# KiCad board Keyboard MainMatrix v2.1.kicad_pcb
title: Matrix Board 0; date: 2024-10-04; rev: 0; company: Psycho Duck
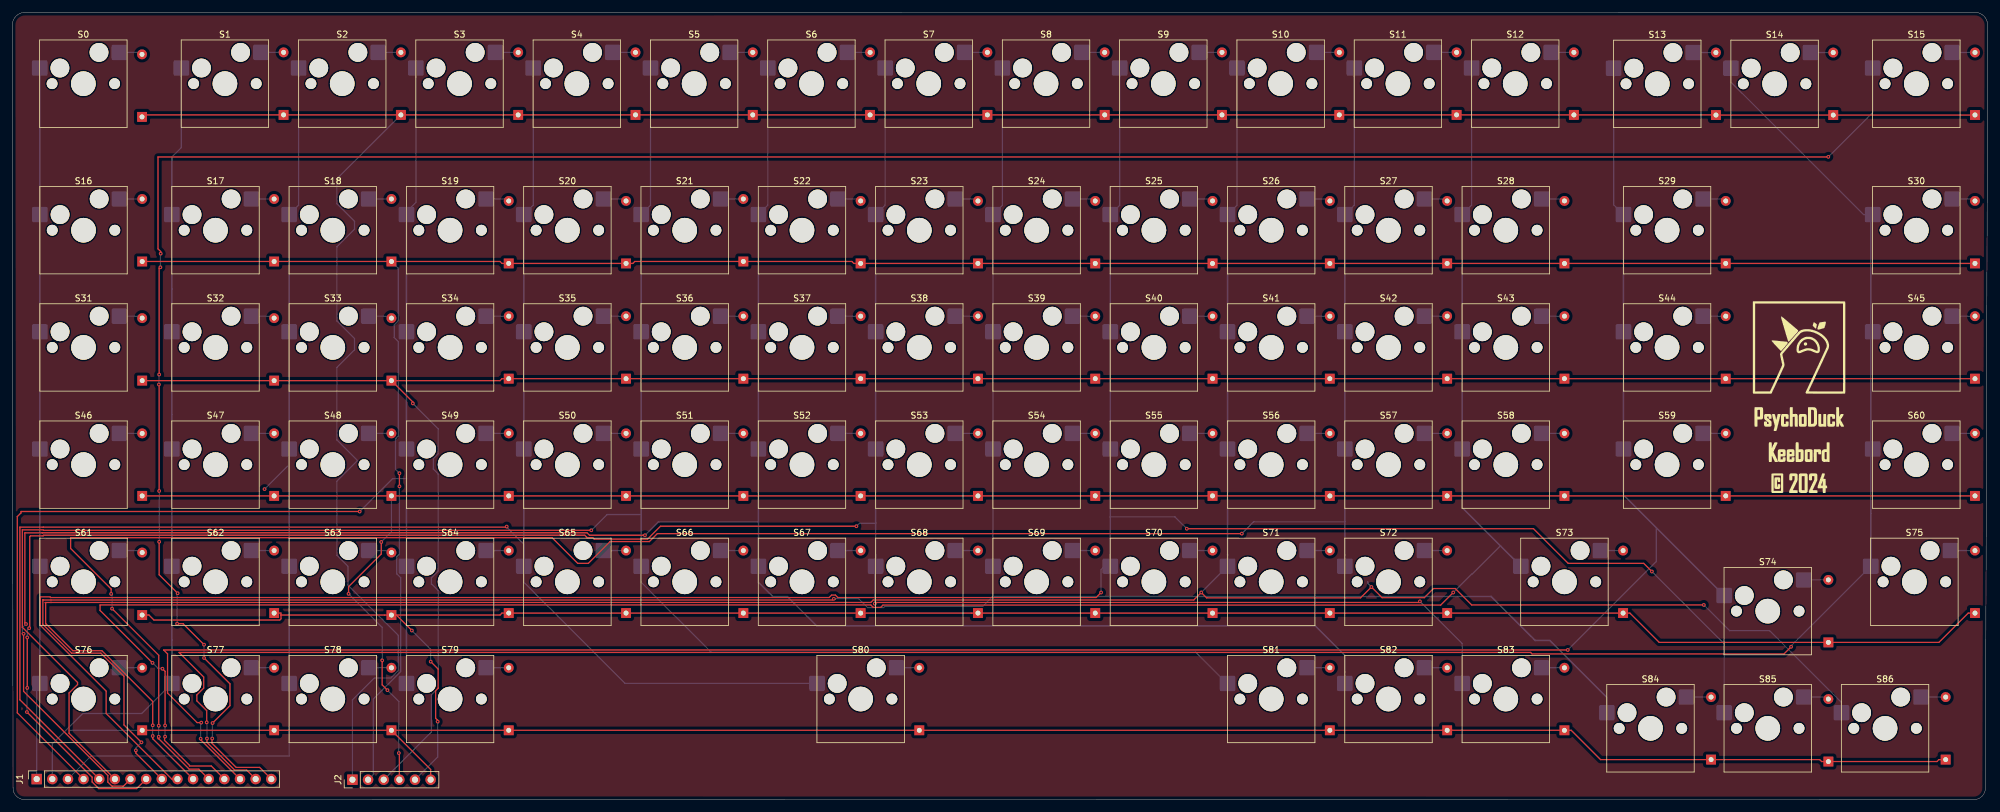
[diagram p0: board, top side]
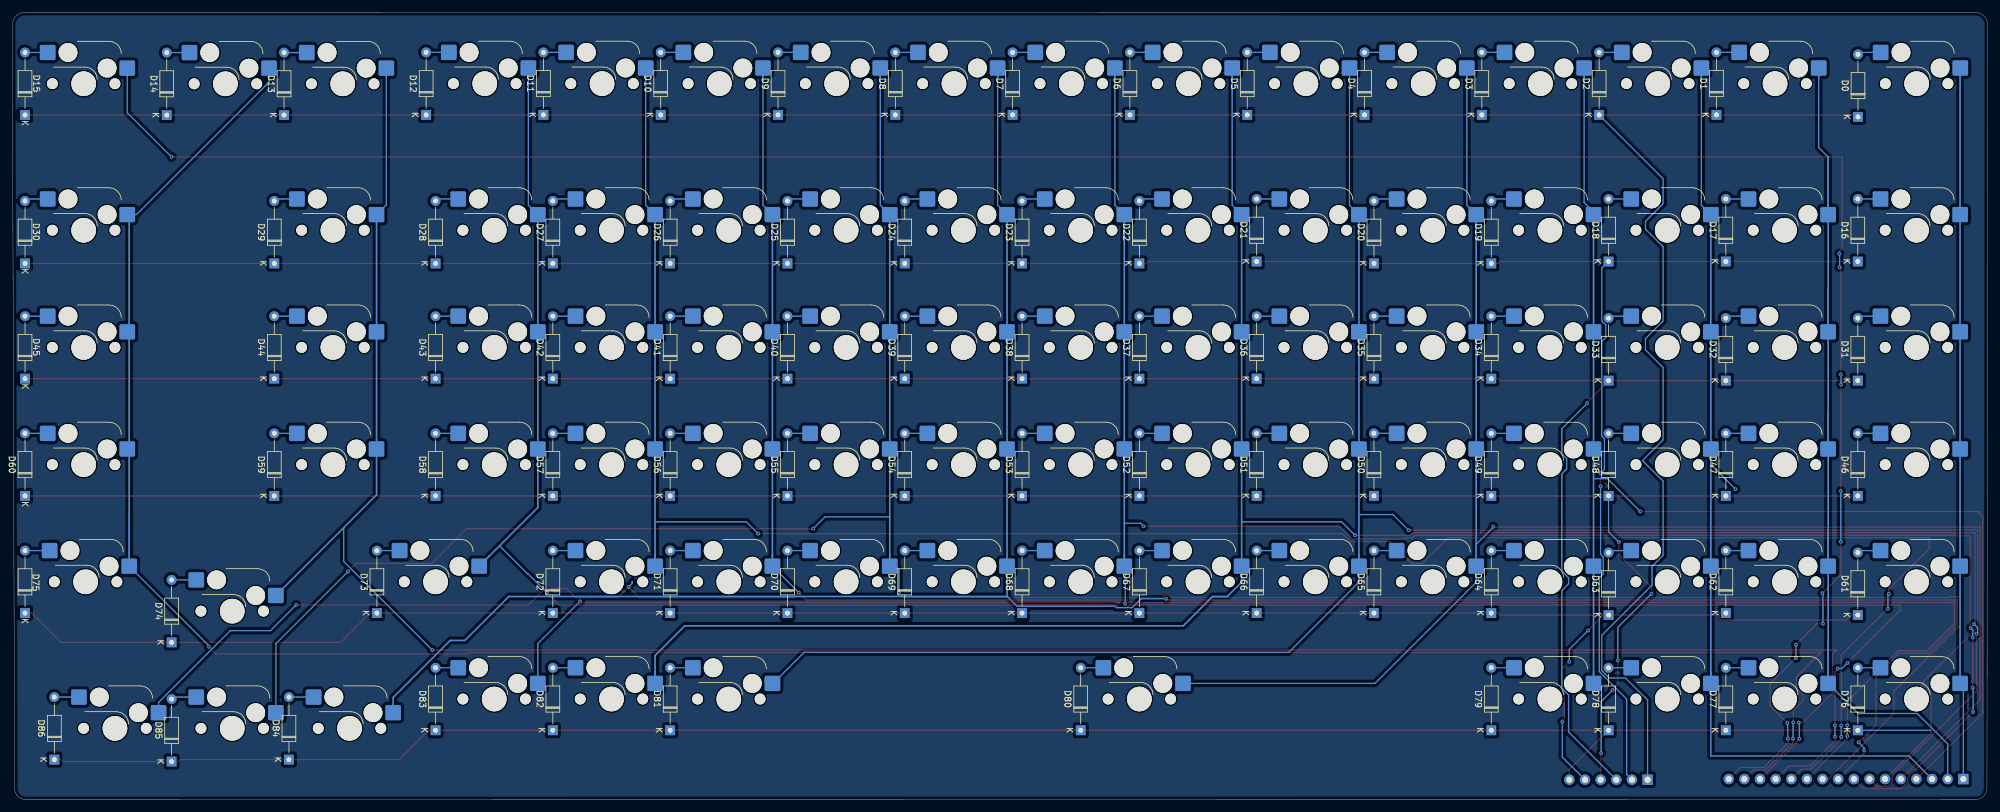
[diagram p1: board, bottom side, seen from below]

Outline 320.81 x 127.98 mm; copper layers: Top, Bottom. Coordinates in mm from the lower left corner of the outline.
Outline path: 318.66,0 2.01,0.03 arc(0.67,0.56) 0.12,1.9 0,125.91 arc(0.59,127.35) 2.02,127.97 318.75,127.98 arc(320.2,127.36) 320.8,125.9 ; 318.66,0 arc(319.93,0.6) 320.44,1.91 320.81,125.9

## Placement (name value [footprint] x y rotation side)
D0  Diode  [D_DO-35_SOD27_P10.16mm_Horizontal]  21.06 110.99 90 bottom
D1  Diode  [D_DO-35_SOD27_P10.16mm_Horizontal]  44.05 111.31 90 bottom
D2  Diode  [D_DO-35_SOD27_P10.16mm_Horizontal]  63.1 111.31 90 bottom
D3  Diode  [D_DO-35_SOD27_P10.16mm_Horizontal]  82.15 111.31 90 bottom
D4  Diode  [D_DO-35_SOD27_P10.16mm_Horizontal]  101.2 111.31 90 bottom
D5  Diode  [D_DO-35_SOD27_P10.16mm_Horizontal]  120.25 111.31 90 bottom
D6  Diode  [D_DO-35_SOD27_P10.16mm_Horizontal]  139.3 111.31 90 bottom
D7  Diode  [D_DO-35_SOD27_P10.16mm_Horizontal]  158.35 111.31 90 bottom
D8  Diode  [D_DO-35_SOD27_P10.16mm_Horizontal]  177.4 111.31 90 bottom
D9  Diode  [D_DO-35_SOD27_P10.16mm_Horizontal]  196.45 111.31 90 bottom
D10  Diode  [D_DO-35_SOD27_P10.16mm_Horizontal]  215.5 111.31 90 bottom
D11  Diode  [D_DO-35_SOD27_P10.16mm_Horizontal]  234.55 111.31 90 bottom
D12  Diode  [D_DO-35_SOD27_P10.16mm_Horizontal]  253.6 111.31 90 bottom
D13  Diode  [D_DO-35_SOD27_P10.16mm_Horizontal]  276.67 111.28 90 bottom
D14  Diode  [D_DO-35_SOD27_P10.16mm_Horizontal]  295.72 111.28 90 bottom
D15  Diode  [D_DO-35_SOD27_P10.16mm_Horizontal]  318.75 111.29 90 bottom
D16  Diode  [D_DO-35_SOD27_P10.16mm_Horizontal]  21.09 87.48 90 bottom
D17  Diode  [D_DO-35_SOD27_P10.16mm_Horizontal]  42.52 87.48 90 bottom
D18  Diode  [D_DO-35_SOD27_P10.16mm_Horizontal]  61.57 87.48 90 bottom
D19  Diode  [D_DO-35_SOD27_P10.16mm_Horizontal]  80.62 87.16 90 bottom
D20  Diode  [D_DO-35_SOD27_P10.16mm_Horizontal]  99.67 87.16 90 bottom
D21  Diode  [D_DO-35_SOD27_P10.16mm_Horizontal]  118.72 87.48 90 bottom
D22  Diode  [D_DO-35_SOD27_P10.16mm_Horizontal]  137.77 87.16 90 bottom
D23  Diode  [D_DO-35_SOD27_P10.16mm_Horizontal]  156.82 87.16 90 bottom
D24  Diode  [D_DO-35_SOD27_P10.16mm_Horizontal]  175.87 87.16 90 bottom
D25  Diode  [D_DO-35_SOD27_P10.16mm_Horizontal]  194.92 87.16 90 bottom
D26  Diode  [D_DO-35_SOD27_P10.16mm_Horizontal]  213.97 87.16 90 bottom
D27  Diode  [D_DO-35_SOD27_P10.16mm_Horizontal]  233.02 87.16 90 bottom
D28  Diode  [D_DO-35_SOD27_P10.16mm_Horizontal]  252.07 87.16 90 bottom
D29  Diode  [D_DO-35_SOD27_P10.16mm_Horizontal]  278.27 87.16 90 bottom
D30  Diode  [D_DO-35_SOD27_P10.16mm_Horizontal]  318.75 87.16 90 bottom
D31  Diode  [D_DO-35_SOD27_P10.16mm_Horizontal]  21.09 68.11 90 bottom
D32  Diode  [D_DO-35_SOD27_P10.16mm_Horizontal]  42.52 68.11 90 bottom
D33  Diode  [D_DO-35_SOD27_P10.16mm_Horizontal]  61.57 68.11 90 bottom
D34  Diode  [D_DO-35_SOD27_P10.16mm_Horizontal]  80.62 68.43 90 bottom
D35  Diode  [D_DO-35_SOD27_P10.16mm_Horizontal]  99.67 68.43 90 bottom
D36  Diode  [D_DO-35_SOD27_P10.16mm_Horizontal]  118.72 68.43 90 bottom
D37  Diode  [D_DO-35_SOD27_P10.16mm_Horizontal]  137.77 68.43 90 bottom
D38  Diode  [D_DO-35_SOD27_P10.16mm_Horizontal]  156.82 68.43 90 bottom
D39  Diode  [D_DO-35_SOD27_P10.16mm_Horizontal]  175.87 68.43 90 bottom
D40  Diode  [D_DO-35_SOD27_P10.16mm_Horizontal]  194.92 68.43 90 bottom
D41  Diode  [D_DO-35_SOD27_P10.16mm_Horizontal]  213.97 68.43 90 bottom
D42  Diode  [D_DO-35_SOD27_P10.16mm_Horizontal]  233.02 68.43 90 bottom
D43  Diode  [D_DO-35_SOD27_P10.16mm_Horizontal]  252.07 68.43 90 bottom
D44  Diode  [D_DO-35_SOD27_P10.16mm_Horizontal]  278.27 68.43 90 bottom
D45  Diode  [D_DO-35_SOD27_P10.16mm_Horizontal]  318.75 68.43 90 bottom
D46  Diode  [D_DO-35_SOD27_P10.16mm_Horizontal]  21.09 49.38 90 bottom
D47  Diode  [D_DO-35_SOD27_P10.16mm_Horizontal]  42.52 49.38 90 bottom
D48  Diode  [D_DO-35_SOD27_P10.16mm_Horizontal]  61.57 49.38 90 bottom
D49  Diode  [D_DO-35_SOD27_P10.16mm_Horizontal]  80.62 49.38 90 bottom
D50  Diode  [D_DO-35_SOD27_P10.16mm_Horizontal]  99.67 49.38 90 bottom
D51  Diode  [D_DO-35_SOD27_P10.16mm_Horizontal]  118.72 49.38 90 bottom
D52  Diode  [D_DO-35_SOD27_P10.16mm_Horizontal]  137.77 49.38 90 bottom
D53  Diode  [D_DO-35_SOD27_P10.16mm_Horizontal]  156.82 49.38 90 bottom
D54  Diode  [D_DO-35_SOD27_P10.16mm_Horizontal]  175.87 49.38 90 bottom
D55  Diode  [D_DO-35_SOD27_P10.16mm_Horizontal]  194.92 49.38 90 bottom
D56  Diode  [D_DO-35_SOD27_P10.16mm_Horizontal]  213.97 49.38 90 bottom
D57  Diode  [D_DO-35_SOD27_P10.16mm_Horizontal]  233.02 49.38 90 bottom
D58  Diode  [D_DO-35_SOD27_P10.16mm_Horizontal]  252.07 49.38 90 bottom
D59  Diode  [D_DO-35_SOD27_P10.16mm_Horizontal]  278.27 49.38 90 bottom
D60  Diode  [D_DO-35_SOD27_P10.16mm_Horizontal]  318.75 49.38 90 bottom
D61  Diode  [D_DO-35_SOD27_P10.16mm_Horizontal]  21.09 30.01 90 bottom
D62  Diode  [D_DO-35_SOD27_P10.16mm_Horizontal]  42.52 30.33 90 bottom
D63  Diode  [D_DO-35_SOD27_P10.16mm_Horizontal]  61.57 30.01 90 bottom
D64  Diode  [D_DO-35_SOD27_P10.16mm_Horizontal]  80.62 30.33 90 bottom
D65  Diode  [D_DO-35_SOD27_P10.16mm_Horizontal]  99.67 30.33 90 bottom
D66  Diode  [D_DO-35_SOD27_P10.16mm_Horizontal]  118.72 30.33 90 bottom
D67  Diode  [D_DO-35_SOD27_P10.16mm_Horizontal]  137.77 30.33 90 bottom
D68  Diode  [D_DO-35_SOD27_P10.16mm_Horizontal]  156.82 30.33 90 bottom
D69  Diode  [D_DO-35_SOD27_P10.16mm_Horizontal]  175.87 30.33 90 bottom
D70  Diode  [D_DO-35_SOD27_P10.16mm_Horizontal]  194.92 30.33 90 bottom
D71  Diode  [D_DO-35_SOD27_P10.16mm_Horizontal]  213.97 30.33 90 bottom
D72  Diode  [D_DO-35_SOD27_P10.16mm_Horizontal]  233.02 30.33 90 bottom
D73  Diode  [D_DO-35_SOD27_P10.16mm_Horizontal]  261.6 30.33 90 bottom
D74  Diode  [D_DO-35_SOD27_P10.16mm_Horizontal]  294.93 25.57 90 bottom
D75  Diode  [D_DO-35_SOD27_P10.16mm_Horizontal]  318.75 30.33 90 bottom
D76  Diode  [D_DO-35_SOD27_P10.16mm_Horizontal]  21.09 11.28 90 bottom
D77  Diode  [D_DO-35_SOD27_P10.16mm_Horizontal]  42.52 11.28 90 bottom
D78  Diode  [D_DO-35_SOD27_P10.16mm_Horizontal]  61.57 11.28 90 bottom
D79  Diode  [D_DO-35_SOD27_P10.16mm_Horizontal]  80.62 11.28 90 bottom
D80  Diode  [D_DO-35_SOD27_P10.16mm_Horizontal]  147.3 11.28 90 bottom
D81  Diode  [D_DO-35_SOD27_P10.16mm_Horizontal]  213.97 11.28 90 bottom
D82  Diode  [D_DO-35_SOD27_P10.16mm_Horizontal]  233.02 11.28 90 bottom
D83  Diode  [D_DO-35_SOD27_P10.16mm_Horizontal]  252.07 11.28 90 bottom
D84  Diode  [D_DO-35_SOD27_P10.16mm_Horizontal]  275.88 6.52 90 bottom
D85  Diode  [D_DO-35_SOD27_P10.16mm_Horizontal]  294.93 6.2 90 bottom
D86  Diode  [D_DO-35_SOD27_P10.16mm_Horizontal]  313.98 6.52 90 bottom
J1  Conn_01x16  [PinSocket_1x16_P2.54mm_Vertical]  3.96 3.35 90 top
J2  Conn_01x06  [PinHeader_1x06_P2.54mm_Vertical]  55.24 3.25 90 top
Ref**  Val**  [LOGO]  290.17 73.51 0 top
Ref**#2  Val**  [TEXT]  290.17 56.84 0 top
S0  Keyswitch  [Hotswap_MX_1.00u]  11.54 116.38 0 top
S1  Keyswitch  [Hotswap_MX_1.00u]  34.53 116.39 0 top
S2  Keyswitch  [Hotswap_MX_1.00u]  53.58 116.39 0 top
S3  Keyswitch  [Hotswap_MX_1.00u]  72.63 116.39 0 top
S4  Keyswitch  [Hotswap_MX_1.00u]  91.68 116.39 0 top
S5  Keyswitch  [Hotswap_MX_1.00u]  110.73 116.39 0 top
S6  Keyswitch  [Hotswap_MX_1.00u]  129.78 116.39 0 top
S7  Keyswitch  [Hotswap_MX_1.00u]  148.83 116.39 0 top
S8  Keyswitch  [Hotswap_MX_1.00u]  167.88 116.39 0 top
S9  Keyswitch  [Hotswap_MX_1.00u]  186.93 116.39 0 top
S10  Keyswitch  [Hotswap_MX_1.00u]  205.98 116.39 0 top
S11  Keyswitch  [Hotswap_MX_1.00u]  225.03 116.39 0 top
S12  Keyswitch  [Hotswap_MX_1.00u]  244.08 116.39 0 top
S13  Keyswitch  [Hotswap_MX_1.00u]  267.15 116.36 0 top
S14  Keyswitch  [Hotswap_MX_1.00u]  286.2 116.36 0 top
S15  Keyswitch  [Hotswap_MX_1.00u]  309.22 116.37 0 top
S16  Keyswitch  [Hotswap_MX_1.00u]  11.57 92.56 0 top
S17  Keyswitch  [Hotswap_MX_1.00u]  33 92.56 0 top
S18  Keyswitch  [Hotswap_MX_1.00u]  52.05 92.56 0 top
S19  Keyswitch  [Hotswap_MX_1.00u]  71.1 92.56 0 top
S20  Keyswitch  [Hotswap_MX_1.00u]  90.15 92.56 0 top
S21  Keyswitch  [Hotswap_MX_1.00u]  109.2 92.56 0 top
S22  Keyswitch  [Hotswap_MX_1.00u]  128.25 92.56 0 top
S23  Keyswitch  [Hotswap_MX_1.00u]  147.3 92.56 0 top
S24  Keyswitch  [Hotswap_MX_1.00u]  166.35 92.56 0 top
S25  Keyswitch  [Hotswap_MX_1.00u]  185.4 92.56 0 top
S26  Keyswitch  [Hotswap_MX_1.00u]  204.45 92.56 0 top
S27  Keyswitch  [Hotswap_MX_1.00u]  223.5 92.56 0 top
S28  Keyswitch  [Hotswap_MX_1.00u]  242.55 92.56 0 top
S29  Keyswitch  [Hotswap_MX_1.00u]  268.74 92.56 0 top
S30  Keyswitch  [Hotswap_MX_1.00u]  309.22 92.56 0 top
S31  Keyswitch  [Hotswap_MX_1.00u]  11.57 73.51 0 top
S32  Keyswitch  [Hotswap_MX_1.00u]  33 73.51 0 top
S33  Keyswitch  [Hotswap_MX_1.00u]  52.05 73.51 0 top
S34  Keyswitch  [Hotswap_MX_1.00u]  71.1 73.51 0 top
S35  Keyswitch  [Hotswap_MX_1.00u]  90.15 73.51 0 top
S36  Keyswitch  [Hotswap_MX_1.00u]  109.2 73.51 0 top
S37  Keyswitch  [Hotswap_MX_1.00u]  128.25 73.51 0 top
S38  Keyswitch  [Hotswap_MX_1.00u]  147.3 73.51 0 top
S39  Keyswitch  [Hotswap_MX_1.00u]  166.35 73.51 0 top
S40  Keyswitch  [Hotswap_MX_1.00u]  185.4 73.51 0 top
S41  Keyswitch  [Hotswap_MX_1.00u]  204.45 73.51 0 top
S42  Keyswitch  [Hotswap_MX_1.00u]  223.5 73.51 0 top
S43  Keyswitch  [Hotswap_MX_1.00u]  242.55 73.51 0 top
S44  Keyswitch  [Hotswap_MX_1.00u]  268.74 73.51 0 top
S45  Keyswitch  [Hotswap_MX_1.00u]  309.22 73.51 0 top
S46  Keyswitch  [Hotswap_MX_1.00u]  11.57 54.46 0 top
S47  Keyswitch  [Hotswap_MX_1.00u]  33 54.46 0 top
S48  Keyswitch  [Hotswap_MX_1.00u]  52.05 54.46 0 top
S49  Keyswitch  [Hotswap_MX_1.00u]  71.1 54.46 0 top
S50  Keyswitch  [Hotswap_MX_1.00u]  90.15 54.46 0 top
S51  Keyswitch  [Hotswap_MX_1.00u]  109.2 54.46 0 top
S52  Keyswitch  [Hotswap_MX_1.00u]  128.25 54.46 0 top
S53  Keyswitch  [Hotswap_MX_1.00u]  147.3 54.46 0 top
S54  Keyswitch  [Hotswap_MX_1.00u]  166.35 54.46 0 top
S55  Keyswitch  [Hotswap_MX_1.00u]  185.4 54.46 0 top
S56  Keyswitch  [Hotswap_MX_1.00u]  204.45 54.46 0 top
S57  Keyswitch  [Hotswap_MX_1.00u]  223.5 54.46 0 top
S58  Keyswitch  [Hotswap_MX_1.00u]  242.55 54.46 0 top
S59  Keyswitch  [Hotswap_MX_1.00u]  268.74 54.46 0 top
S60  Keyswitch  [Hotswap_MX_1.00u]  309.22 54.46 0 top
S61  Keyswitch  [Hotswap_MX_1.00u]  11.57 35.41 0 top
S62  Keyswitch  [Hotswap_MX_1.00u]  33 35.41 0 top
S63  Keyswitch  [Hotswap_MX_1.00u]  52.05 35.41 0 top
S64  Keyswitch  [Hotswap_MX_1.00u]  71.1 35.41 0 top
S65  Keyswitch  [Hotswap_MX_1.00u]  90.15 35.41 0 top
S66  Keyswitch  [Hotswap_MX_1.00u]  109.2 35.41 0 top
S67  Keyswitch  [Hotswap_MX_1.00u]  128.25 35.41 0 top
S68  Keyswitch  [Hotswap_MX_1.00u]  147.3 35.41 0 top
S69  Keyswitch  [Hotswap_MX_1.00u]  166.35 35.41 0 top
S70  Keyswitch  [Hotswap_MX_1.00u]  185.4 35.41 0 top
S71  Keyswitch  [Hotswap_MX_1.00u]  204.45 35.41 0 top
S72  Keyswitch  [Hotswap_MX_1.00u]  223.5 35.41 0 top
S73  Keyswitch  [Hotswap_MX_1.00u]  252.07 35.41 0 top
S74  Keyswitch  [Hotswap_MX_1.00u]  285.09 30.65 0 top
S75  Keyswitch  [Hotswap_MX_1.00u]  308.9 35.41 0 top
S76  Keyswitch  [Hotswap_MX_1.00u]  11.57 16.36 0 top
S77  Keyswitch  [Hotswap_MX_1.00u]  33 16.36 0 top
S78  Keyswitch  [Hotswap_MX_1.00u]  52.05 16.36 0 top
S79  Keyswitch  [Hotswap_MX_1.00u]  71.1 16.36 0 top
S80  Keyswitch  [Hotswap_MX_1.00u]  137.77 16.36 0 top
S81  Keyswitch  [Hotswap_MX_1.00u]  204.45 16.36 0 top
S82  Keyswitch  [Hotswap_MX_1.00u]  223.5 16.36 0 top
S83  Keyswitch  [Hotswap_MX_1.00u]  242.55 16.36 0 top
S84  Keyswitch  [Hotswap_MX_1.00u]  266.04 11.6 0 top
S85  Keyswitch  [Hotswap_MX_1.00u]  285.09 11.6 0 top
S86  Keyswitch  [Hotswap_MX_1.00u]  304.14 11.6 0 top

## Library data of the parts
D0-D86 = -: Description: 1N4148 (DO-35) or 1N4148W (SOD-123); Sim.Device: D; Sim.Pins: 1=K 2=A; ki_fp_filters: D*DO?35*
J1 = -: Description: Generic connector, single row, 01x16, script generated (kicad-library-utils/schlib/autogen/connector/); ki_fp_filters: Connector*:*_1x??_*
J2 = -: Description: Generic connector, single row, 01x06, script generated (kicad-library-utils/schlib/autogen/connector/); ki_fp_filters: Connector*:*_1x??_*
S0-S86 = -: Description: Push button switch, normally open, two pins, 45° tilted

## Footprints (pads in the part's own frame, mm; a bottom-side part is the same pattern mirrored in y, then rotated)
D_DO-35_SOD27_P10.16mm_Horizontal
  rect 1.6x1.6 hole 0.8: 1(0,0)
  oval 1.6x1.6 hole 0.8: 2(10.16,0)
Hotswap_MX_1.00u
  round 1.75 hole 1.75 unplated: (-5.08,0) (5.08,0)
  round 3.05 hole 3.05 unplated: (-3.81,2.54) (2.54,5.08)
  round 4 hole 4 unplated: (0,0)
  rrect 2.55x2.5 smd far side: 1(-7.085,2.54) 2(5.842,5.08)
PinHeader_1x06_P2.54mm_Vertical
  rect 1.7x1.7 hole 1: 1(0,0)
  oval 1.7x1.7 hole 1: 2(0,-2.54) 3(0,-5.08) 4(0,-7.62) 5(0,-10.16) 6(0,-12.7)
PinSocket_1x16_P2.54mm_Vertical
  rect 1.7x1.7 hole 1: 1(0,0)
  oval 1.7x1.7 hole 1: 2(0,-2.54) 3(0,-5.08) 4(0,-7.62) 5(0,-10.16) 6(0,-12.7) 7(0,-15.24) 8(0,-17.78) 9(0,-20.32) 10(0,-22.86) 11(0,-25.4) 12(0,-27.94) 13(0,-30.48) 14(0,-33.02) 15(0,-35.56) 16(0,-38.1)

## Nets
/Col0: J1.1 S0.1 S16.1 S31.1 S46.1 S61.1 S76.1
/Col1: J1.2 S1.1 S17.1 S32.1 S47.1 S62.1 S77.1
/Col2: J1.3 S2.1 S18.1 S33.1 S48.1 S63.1 S78.1
/Col3: J1.4 S3.1 S19.1 S34.1 S49.1 S64.1 S79.1
/Col4: J1.5 S4.1 S20.1 S35.1 S50.1 S65.1 S80.1
/Col5: J1.6 S5.1 S21.1 S36.1 S51.1 S66.1 S81.1
/Col6: J1.7 S6.1 S22.1 S37.1 S52.1 S67.1 S82.1
/Col7: J1.8 S7.1 S23.1 S38.1 S53.1 S68.1 S83.1
/Col8: J1.9 S8.1 S24.1 S39.1 S54.1 S69.1 S84.1
/Col9: J1.10 S9.1 S25.1 S40.1 S55.1 S70.1 S85.1
/Col10: J1.11 S10.1 S26.1 S41.1 S56.1 S71.1 S86.1
/Col11: J1.12 S11.1 S27.1 S42.1 S57.1 S72.1
/Col12: J1.13 S12.1 S28.1 S43.1 S58.1 S73.1
/Col13: J1.14 S13.1 S29.1 S44.1 S59.1 S74.1
/Col14: J1.15 S14.1 S30.1 S45.1 S60.1 S75.1
/Col15: J1.16 S15.1
/Row0: D0.1 D1.1 D2.1 D3.1 D4.1 D5.1 D6.1 D7.1 D8.1 D9.1 D10.1 D11.1 D12.1 D13.1 D14.1 D15.1 J2.1
/Row1: D16.1 D17.1 D18.1 D19.1 D20.1 D21.1 D22.1 D23.1 D24.1 D25.1 D26.1 D27.1 D28.1 D29.1 D30.1 J2.2
/Row2: D31.1 D32.1 D33.1 D34.1 D35.1 D36.1 D37.1 D38.1 D39.1 D40.1 D41.1 D42.1 D43.1 D44.1 D45.1 J2.3
/Row3: D46.1 D47.1 D48.1 D49.1 D50.1 D51.1 D52.1 D53.1 D54.1 D55.1 D56.1 D57.1 D58.1 D59.1 D60.1 J2.4
/Row4: D61.1 D62.1 D63.1 D64.1 D65.1 D66.1 D67.1 D68.1 D69.1 D70.1 D71.1 D72.1 D73.1 D74.1 D75.1 J2.5
/Row5: D76.1 D77.1 D78.1 D79.1 D80.1 D81.1 D82.1 D83.1 D84.1 D85.1 D86.1 J2.6
Net-(D0-A): D0.2 S0.2
Net-(D1-A): D1.2 S1.2
Net-(D2-A): D2.2 S2.2
Net-(D3-A): D3.2 S3.2
Net-(D4-A): D4.2 S4.2
Net-(D5-A): D5.2 S5.2
Net-(D6-A): D6.2 S6.2
Net-(D7-A): D7.2 S7.2
Net-(D8-A): D8.2 S8.2
Net-(D9-A): D9.2 S9.2
Net-(D10-A): D10.2 S10.2
Net-(D11-A): D11.2 S11.2
Net-(D12-A): D12.2 S12.2
Net-(D13-A): D13.2 S13.2
Net-(D14-A): D14.2 S14.2
Net-(D15-A): D15.2 S15.2
Net-(D16-A): D16.2 S16.2
Net-(D17-A): D17.2 S17.2
Net-(D18-A): D18.2 S18.2
Net-(D19-A): D19.2 S19.2
Net-(D20-A): D20.2 S20.2
Net-(D21-A): D21.2 S21.2
Net-(D22-A): D22.2 S22.2
Net-(D23-A): D23.2 S23.2
Net-(D24-A): D24.2 S24.2
Net-(D25-A): D25.2 S25.2
Net-(D26-A): D26.2 S26.2
Net-(D27-A): D27.2 S27.2
Net-(D28-A): D28.2 S28.2
Net-(D29-A): D29.2 S29.2
Net-(D30-A): D30.2 S30.2
Net-(D31-A): D31.2 S31.2
Net-(D32-A): D32.2 S32.2
Net-(D33-A): D33.2 S33.2
Net-(D34-A): D34.2 S34.2
Net-(D35-A): D35.2 S35.2
Net-(D36-A): D36.2 S36.2
Net-(D37-A): D37.2 S37.2
Net-(D38-A): D38.2 S38.2
Net-(D39-A): D39.2 S39.2
Net-(D40-A): D40.2 S40.2
Net-(D41-A): D41.2 S41.2
Net-(D42-A): D42.2 S42.2
Net-(D43-A): D43.2 S43.2
Net-(D44-A): D44.2 S44.2
Net-(D45-A): D45.2 S45.2
Net-(D46-A): D46.2 S46.2
Net-(D47-A): D47.2 S47.2
Net-(D48-A): D48.2 S48.2
Net-(D49-A): D49.2 S49.2
Net-(D50-A): D50.2 S50.2
Net-(D51-A): D51.2 S51.2
Net-(D52-A): D52.2 S52.2
Net-(D53-A): D53.2 S53.2
Net-(D54-A): D54.2 S54.2
Net-(D55-A): D55.2 S55.2
Net-(D56-A): D56.2 S56.2
Net-(D57-A): D57.2 S57.2
Net-(D58-A): D58.2 S58.2
Net-(D59-A): D59.2 S59.2
Net-(D60-A): D60.2 S60.2
Net-(D61-A): D61.2 S61.2
Net-(D62-A): D62.2 S62.2
Net-(D63-A): D63.2 S63.2
Net-(D64-A): D64.2 S64.2
Net-(D65-A): D65.2 S65.2
Net-(D66-A): D66.2 S66.2
Net-(D67-A): D67.2 S67.2
Net-(D68-A): D68.2 S68.2
Net-(D69-A): D69.2 S69.2
Net-(D70-A): D70.2 S70.2
Net-(D71-A): D71.2 S71.2
Net-(D72-A): D72.2 S72.2
Net-(D73-A): D73.2 S73.2
Net-(D74-A): D74.2 S74.2
Net-(D75-A): D75.2 S75.2
Net-(D76-A): D76.2 S76.2
Net-(D77-A): D77.2 S77.2
Net-(D78-A): D78.2 S78.2
Net-(D79-A): D79.2 S79.2
Net-(D80-A): D80.2 S80.2
Net-(D81-A): D81.2 S81.2
Net-(D82-A): D82.2 S82.2
Net-(D83-A): D83.2 S83.2
Net-(D84-A): D84.2 S84.2
Net-(D85-A): D85.2 S85.2
Net-(D86-A): D86.2 S86.2

## Via types
v1: diameter 0.6, hole 0.3, Top to Bottom, 65 vias

## Routing (per net, layer and track width the routed paths; a pad name or vN(x,y) marks a point on that pad's centre or on a via; arc(x,y) is an arc through that point)
/Col0: length 115.8
  Bottom w0.2: J1.1 3.96,18.38 S76.1
  Bottom w0.25: S76.1 S61.1 S46.1 S31.1 S16.1 4.48,118.9 S0.1
/Col1: length 167.4
  Bottom w0.2: 25.91,62.66 S47.1 ; S17.1 25.91,104.47 25.91,104.47 27.44,106 S1.1 27.44,117.52 ; 25.91,83.04 S32.1 ; 25.91,43.57 S62.1 ; 25.91,25.97 S77.1 21.02,14.01 11.42,14.01 6.5,9.08 J1.2
  Bottom w0.25: S1.1 27.44,117.52 ; S77.1 25.91,104.47
/Col2: length 162.2
  Bottom w0.2: 44.96,95.55 S18.1 46.49,96.63 S2.1 46.49,117.52 ; 44.96,57.45 S48.1 ; 44.96,76.34 S33.1 ; 44.96,54.19 44.67,54.19 v1(40.96,50.48) ; J1.3 12.79,7.11 44.96,7.11 S78.1 44.96,20.75 ; 44.96,38.4 S63.1
  Bottom w0.25: S2.1 46.49,117.52 ; S78.1 44.96,95.55
/Col3: length 219.8
  Top w0.2: v1(56.41,46.84) 1.41,46.84 1.41,46.62 0.81,46.02 0.81,14.12 J1.4
  Bottom w0.2: 64.01,38.24 S64.1 ; 64.01,76.34 S34.1 ; v1(56.41,46.84) 61.75,52.18 64.01,52.18 ; 64.01,20.75 S79.1 ; 64.01,57.45 S49.1 ; 65.54,117.52 S3.1 65.54,97.08 64.01,95.55 S19.1
  Bottom w0.25: 64.01,95.55 S79.1 ; 65.54,117.52 S3.1
/Col4: length 275.9
  Top w0.2: J1.5 1.23,16.24 1.23,44.3 5.03,44.3 5.03,44.3 80.2,44.3 v1(80.29,44.39)
  Bottom w0.2: 83.06,57.45 83.06,57.45 S50.1 ; S80.1 99.51,18.9 83.06,35.35 S65.1 83.06,41.53 80.29,44.3 v1(80.29,44.39) ; 83.06,95.39 83.06,95.39 S20.1 84.59,96.63 S4.1 84.59,117.52 ; 83.06,76.5 83.06,76.5 S35.1
  Bottom w0.25: 83.06,37.95 83.06,95.39 ; S4.1 84.59,117.52
/Col5: length 338.1
  Top w0.2: v1(94.03,43.79) 5.08,43.79 5.01,43.86 1.63,43.86 1.63,28.02 10.59,19.06 10.59,18.71 9.22,17.33 9.22,10.79 J1.6
  Bottom w0.2: 197.25,18.9 192.2,23.95 113.51,23.95 102.11,35.35 S66.1 102.11,39.8 102.11,39.8 ; v1(94.03,43.79) 96.58,46.34 102.11,46.34 ; 197.36,18.9 S81.1 ; S5.1 103.64,96.63 S21.1 102.11,95.1 ; S36.1 102.11,76.5 102.11,76.5 ; S51.1 102.11,57
  Bottom w0.25: 102.11,95.1 102.11,37.95 ; 197.36,18.9 197.14,18.9
/Col6: length 367.3
  Top w0.2: v1(102.74,42.98) 93.74,42.98 93.34,43.39 4.89,43.39 4.88,43.38 2.03,43.38 2.03,28.75 v1(2.23,28.55) ; v1(1.83,26.97) 1.83,17.62 15.51,3.94 15.51,2.88 16.18,2.2 18.05,2.2 J1.7
  Bottom w0.2: v1(2.23,28.55) 1.64,27.96 1.64,26.97 v1(1.83,26.97) ; 121.16,76.5 121.16,76.5 S37.1 ; 122.69,117.52 S6.1 122.69,96.63 S22.1 121.16,95.55 121.16,95.55 ; 121.16,45.16 104.92,45.16 v1(102.74,42.98) ; S52.1 121.16,57.45 121.16,57.45 ; 216.41,20.75 216.41,20.75 S82.1 ; S67.1 121.16,38.51 121.16,38.51
  Bottom w0.25: 216.41,18.9 216.41,23.45 211.59,28.27 130.63,28.27 125.87,33.03 123.48,33.03 121.16,35.35 121.16,95.55 ; S6.1 122.69,117.52
/Col7: length 391.9
  Top w0.2: v1(2.74,27.88) 2.83,27.97 2.83,42.76 2.96,42.89 5.01,42.89 5.1,42.98 92.97,42.98 93.37,42.58 94.27,42.58 94.5,42.36 103.17,42.36 105.26,44.45 v1(137.08,44.45) ; J1.8 20.19,1.8 14.04,1.8 12.97,2.88 12.97,3.65 v1(2.37,14.25) ; v1(228.6,32.24) 228.42,32.06 140.27,32.06 v1(140.06,31.86) ; v1(2.43,18.17) v1(2.43,26.37)
  Bottom w0.2: v1(140.06,31.86) 140.06,37.8 S68.1 140.21,39.8 140.21,39.8 ; v1(2.37,14.25) 2.37,18.11 v1(2.43,18.17) ; S38.1 140.21,76.5 140.21,76.5 ; 140.21,57.45 140.21,57.45 S53.1 ; 140.21,44.94 137.57,44.94 v1(137.08,44.45) ; v1(2.43,26.37) 2.43,27.57 v1(2.74,27.88) ; S83.1 235.46,25.37 v1(228.6,32.24) ; 140.21,95.39 140.21,95.39 S23.1 141.74,96.63 S7.1 141.74,117.52
  Bottom w0.25: 141.74,117.52 S7.1 ; 140.21,37.95 140.21,95.39
/Col8: length 398
  Top w0.2: v1(20.97,9.32) 18.14,12.15 18.14,20.06 14.38,23.82 9.64,23.82 4.95,28.5 4.95,32.51 5,32.51 5.05,32.46 6.28,32.46 6.28,32.46 133.22,32.46 v1(133.42,32.66) ; v1(20.06,8.02) 20.06,7.57 J1.9
  Bottom w0.2: S84.1 258.96,15.38 258.96,15.38 ; S54.1 159.26,57.45 159.26,57.45 ; 159.22,33.03 157.64,31.46 141.75,31.46 141.51,31.22 138.91,31.22 137.47,32.66 v1(133.42,32.66) ; 160.79,117.52 S8.1 160.79,96.63 S24.1 159.26,95.39 159.26,95.39 ; S69.1 159.26,38.4 159.26,38.4 ; v1(20.97,9.32) 20.06,8.41 v1(20.06,8.02) ; S39.1 159.26,76.5 159.26,76.5
  Bottom w0.25: S84.1 258.96,16.62 249.69,25.89 247.31,25.89 240.17,33.03 159.2,33.03 159.26,33.09 159.26,95.39 ; S8.1 160.79,117.52
/Col9: length 425.4
  Top w0.2: v1(266.27,37.09) 264.95,38.41 252.67,38.41 247.04,44.05 v1(190.74,44.05) ; v1(176.82,33.68) 176,32.86 134.07,32.86 133.67,33.26 133.05,33.26 132.65,32.86 6.23,32.86 ; 6.23,32.86 6.23,32.86 ; 6.23,32.86 6.12,32.97 4.55,32.97 4.55,28.34 15.24,17.64 15.24,14.01 25.9,3.35 J1.10
  Bottom w0.2: 178.31,57.45 178.31,57.45 S55.1 ; v1(190.74,44.05) 188.82,45.97 178.31,45.97 ; 178.31,76.5 178.31,76.5 S40.1 ; 178.31,38.88 176.82,37.38 v1(176.82,33.68) ; S70.1 178.31,39.8 178.31,39.8 ; 179.84,117.52 S9.1 179.84,96.63 S25.1 178.31,95.39 178.31,95.39 ; S85.1 278.01,25.36 v1(266.27,37.09)
  Bottom w0.25: 178.31,95.39 178.31,37.95 ; 179.84,117.52 S9.1
/Col10: length 440.6
  Top w0.2: 6.35,32.06 5.38,32.06 5.35,32.03 5.41,31.97 5.41,28.61 5.44,28.61 9.83,24.22 14.55,24.22 22.8,15.97 v1(22.8,12.09) ; 6.35,32.06 6.21,32.06 6.21,32.05 ; 6.35,32.06 139.41,32.06 139.82,32.46 191.87,32.46 v1(193.09,33.68) 193.96,32.81 218.96,32.81 v1(220.72,34.57) 222.46,32.84 229.32,32.84 230.8,34.32 234.34,34.32 237,31.65 v1(274.7,31.65) ; v1(22.8,10.35) 22.8,9.91 J1.11
  Bottom w0.2: v1(220.72,34.57) 220.14,35.16 220.14,35.36 ; S86.1 297.06,15.82 285.4,27.48 278.88,27.48 v1(274.7,31.65) ; v1(193.09,33.68) S71.1 197.36,39.8 197.36,39.8 ; v1(22.8,10.35) v1(22.8,12.09) ; 198.89,117.52 S10.1 198.89,96.63 S26.1 197.36,95.39 197.36,95.39 ; S41.1 197.36,76.5 197.36,76.5 ; S56.1 197.36,57.45 197.36,57.45
  Bottom w0.25: 197.36,37.95 197.36,95.39 ; 220.14,35.41 220.14,35.36 ; S10.1 198.89,117.52
/Col11: length 347.3
  Top w0.2: v1(199.68,43.25) 104.75,43.25 103.46,41.95 97.09,41.95 93.55,38.41 91.83,38.41 87.66,42.58 9.47,42.58 9.47,40.83 16.05,34.25 v1(16.05,33.46) ; v1(23.78,10.23) 23.69,10.14 23.69,9.91 23.78,9.91 28.73,4.96 30.29,4.96 J1.12 ; v1(16.2,31.05) 23.78,23.47 v1(23.78,12.03)
  Bottom w0.2: v1(199.68,43.25) 201.59,45.16 216.41,45.16 ; v1(23.78,10.23) v1(23.78,12.03) 23.75,12.06 ; S57.1 216.41,57 ; v1(16.2,31.05) 16.2,33.31 v1(16.05,33.46) ; 216.41,39.8 216.41,39.8 S72.1 ; 217.94,117.52 S11.1 217.94,96.63 S27.1 216.41,95.1 ; S42.1 216.41,76.05
  Bottom w0.25: 216.41,95.1 216.41,37.95 ; 217.94,117.52 S11.1
/Col12: length 363.1
  Top w0.2: v1(24.81,12.06) 24.81,20.86 v1(24.38,21.29) ; v1(22.77,22.24) 14.25,30.76 14.25,31.65 139.41,31.65 139.82,31.25 141.02,31.25 141.4,31.63 231.97,31.63 v1(234.01,33.68) ; J1.13 32.31,5.48 28.78,5.48 28.78,5.58 24.72,9.64 24.72,10.17 v1(24.81,10.26)
  Bottom w0.2: 235.46,57.45 235.46,57.45 S58.1 ; 235.46,76.5 235.46,76.5 S43.1 ; v1(24.38,21.29) 24.32,21.35 23.66,21.35 v1(22.77,22.24) ; 243.33,39.61 S73.1 ; 241.67,41.27 237.1,36.7 237.03,36.7 v1(234.01,33.68) ; 235.46,95.39 235.46,95.39 S28.1 236.99,96.63 S12.1 236.99,117.52 ; v1(24.81,10.26) v1(24.81,12.06)
  Bottom w0.25: 235.46,95.39 235.46,47.48 241.67,41.27 243.33,39.61 S73.1 ; 236.99,117.52 S12.1
/Col13: length 376.4
  Top w0.2: J1.14 30.59,9.74 v1(30.59,9.91) ; v1(30.68,12.53) 30.02,12.53 25.21,17.34 25.21,23.7 24.57,24.33 v1(252.61,24.33)
  Bottom w0.2: v1(30.68,12.53) 30.59,12.44 v1(30.59,9.91) ; 260.06,117.49 S13.1 260.06,96.69 S29.1 ; 266.99,44.21 266.99,38.71 v1(252.61,24.33)
  Bottom w0.25: S29.1 S44.1 S59.1 261.66,49.54 S74.1 ; S13.1 260.06,117.49
/Col14: length 411.6
  Top w0.2: v1(31.57,12.57) 31.57,14.47 29.96,16.07 29.96,17.03 31.08,18.14 31.08,19.94 27.08,23.93 246.58,23.93 246.82,23.69 287.72,23.69 v1(288.88,24.85) ; v1(31.61,9.94) 31.61,9.31 36.11,4.81 38.06,4.81 J1.15
  Bottom w0.2: S60.1 301.82,57 ; S45.1 301.82,76.05 ; 301.82,46.5 S75.1 288.88,25.01 v1(288.88,24.85) ; S30.1 300.64,95.1 279.11,116.63 S14.1 279.11,117.75 279.11,117.75 ; v1(31.57,12.57) 31.61,12.53 v1(31.61,9.94)
  Bottom w0.25: 279.11,117.75 S14.1 ; S75.1 301.82,94.78 S30.1
/Col15: length 403
  Top w0.2: v1(32.47,9.94) 32.43,9.9 32.43,9.18 36.36,5.25 40.16,5.25 J1.16 ; v1(24.05,86.54) 23.85,86.34 v1(23.85,69.1) ; v1(32.52,12.46) 35.35,15.29 35.35,18.83 v1(31.14,23.04) ; v1(24.1,88.76) 24.1,89.1 23.66,89.54 23.66,104.47 294.93,104.47 ; v1(31.14,25.2) 27.74,28.6 v1(26.76,28.6) ; v1(26.85,33.56) 23.85,36.56 v1(23.85,41.92) ; v1(23.85,50.18) 23.85,67.45 v1(23.81,67.49)
  Bottom w0.2: v1(26.85,33.56) 26.76,33.47 v1(26.76,28.6) ; v1(32.47,9.94) 32.47,12.41 v1(32.52,12.46) ; 294.93,104.47 302.14,111.67 S15.1 ; v1(24.05,86.54) 24.05,88.71 v1(24.1,88.76) ; v1(23.85,41.92) v1(23.85,50.18) ; v1(23.85,69.1) 23.81,69.06 v1(23.81,67.49) ; v1(31.14,23.04) v1(31.14,25.2)
  vias: v1(294.92,104.49)
/Row0: length 426.9
  Top w0.2: D0.1 21.39,111.31 D1.1 ; 43.73,110.99 D1.1 ; D1.1 D2.1 D3.1 D4.1 D5.1 D6.1 D7.1 D8.1 D9.1 D10.1 D11.1 D12.1 276.64,111.31 D13.1 D14.1 318.73,111.28 D15.1
  Bottom w0.2: J2.1 55.24,16.2 58.81,19.78 61.46,19.78 62.67,20.99 62.67,26.71 54.51,34.88 54.51,37.92 52.71,39.71 52.71,51.78 56.06,55.13 52.71,58.48 52.71,70.24 55.58,73.11 55.58,74.95 52.71,77.81 52.71,89.88 55.58,92.75 55.58,94 52.71,96.86 52.71,100.92 D2.1
/Row1: length 386.4
  Top w0.2: D16.1 D17.1 D18.1 79.2,87.48 79.52,87.16 D19.1 D20.1 100.77,87.16 101.09,87.48 D21.1 136.35,87.48 136.67,87.16 D22.1 D23.1 D24.1 D25.1 D26.1 D27.1 D28.1 D29.1 D30.1 ; v1(62.87,50.93) v1(62.87,53.06)
  Bottom w0.2: J2.2 58.63,4.1 58.63,16.36 63.07,20.8 63.07,36.08 62.44,36.72 62.44,39.48 62.87,39.92 v1(62.87,50.93) ; v1(62.87,53.06) 62.24,53.69 62.24,58.65 62.68,59.09 62.68,74.46 62.03,75.11 62.03,77.17 62.67,77.82 62.67,86.38 D18.1
/Row2: length 371
  Top w0.2: D45.1 D44.1 D43.1 D42.1 D41.1 D40.1 D39.1 D38.1 D37.1 D36.1 D35.1 D34.1 79.52,68.43 79.2,68.11 D33.1 ; D31.1 D32.1 D33.1 ; v1(65.05,64.41) 65.05,64.64 D33.1
  Bottom w0.2: J2.3 68.06,11 68.06,17.03 69.16,18.12 69.16,33.98 68.06,35.08 68.06,36.08 69.16,37.17 69.16,52.96 68.38,53.74 68.38,55.44 69.16,56.22 69.16,60.3 v1(65.05,64.41)
/Row3: length 350.1
  Top w0.2: v1(59.92,41.89) 59.92,39.94 54.61,34.63 v1(54.61,33.46) ; v1(60.92,17.81) 60.07,18.66 v1(60.07,22.65) ; J2.4 62.86,7.49 v1(62.77,7.58) ; D46.1 D47.1 D48.1 D49.1 D50.1 D51.1 D52.1 D53.1 D54.1 D55.1 D56.1 D57.1 D58.1 D59.1 D60.1
  Bottom w0.2: v1(54.61,33.46) 60.07,28 v1(60.07,22.65) ; v1(59.92,41.89) 61.57,43.54 D48.1 ; v1(60.92,17.81) 62.77,15.96 v1(62.77,7.58)
/Row4: length 336.4
  Top w0.2: D62.1 43.62,30.33 43.62,30.02 43.63,30.01 ; D63.1 62.37,30.01 v1(64.89,27.5) ; D63.1 43.63,30.01 ; D63.1 79.2,30.01 79.52,30.33 D64.1 D65.1 D66.1 D67.1 D68.1 D69.1 D70.1 D71.1 D72.1 D73.1 262.7,30.33 267.46,25.57 D74.1 312.88,25.57 317.64,30.33 D75.1 ; v1(69.08,12.69) 69.08,12.91 68.75,13.24 68.75,17.71 69.16,18.12 69.16,21.23 v1(67.95,22.44) ; D61.1 22.19,30.01 23,29.2 43.43,29.2 43.63,29.4 43.63,30.01
  Bottom w0.2: J2.5 69.08,6.93 v1(69.08,12.69) ; v1(67.95,22.44) 67.95,24.44 v1(64.89,27.5)
/Row5: length 317.6
  Top w0.2: D86.1 312.88,6.52 312.56,6.2 D85.1 293.83,6.2 293.51,6.52 D84.1 257.94,6.52 253.17,11.28 D83.1 D82.1 D81.1 D80.1 D79.1 D78.1 ; D78.1 D77.1 D76.1 ; D78.1 67.94,4.92 J2.6
  Bottom w0.2: D76.1 9.26,11.28
Net-(D0-A): length 3.8
  Bottom w0.2: D0.2 20.75,121.46 S0.2
Net-(D1-A): length 3.7
  Bottom w0.2: S1.2 D1.2
Net-(D2-A): length 3.7
  Bottom w0.2: S2.2 D2.2
Net-(D3-A): length 3.7
  Bottom w0.2: S3.2 D3.2
Net-(D4-A): length 3.7
  Bottom w0.2: S4.2 D4.2
Net-(D5-A): length 3.7
  Bottom w0.2: S5.2 D5.2
Net-(D6-A): length 3.7
  Bottom w0.2: S6.2 D6.2
Net-(D7-A): length 3.7
  Bottom w0.2: S7.2 D7.2
Net-(D8-A): length 3.7
  Bottom w0.2: S8.2 D8.2
Net-(D9-A): length 3.7
  Bottom w0.2: S9.2 D9.2
Net-(D10-A): length 3.7
  Bottom w0.2: S10.2 D10.2
Net-(D11-A): length 3.7
  Bottom w0.2: S11.2 D11.2
Net-(D12-A): length 3.7
  Bottom w0.2: S12.2 D12.2
Net-(D13-A): length 3.7
  Bottom w0.2: S13.2 D13.2
Net-(D14-A): length 3.7
  Bottom w0.2: S14.2 D14.2
Net-(D15-A): length 3.7
  Bottom w0.2: 315.06,121.45 S15.2 D15.2
Net-(D16-A): length 3.7
  Bottom w0.2: S16.2 D16.2
Net-(D17-A): length 3.7
  Bottom w0.2: S17.2 D17.2
Net-(D18-A): length 3.7
  Bottom w0.2: S18.2 D18.2
Net-(D19-A): length 3.8
  Bottom w0.2: S19.2 80.3,97.64 D19.2
Net-(D20-A): length 3.8
  Bottom w0.2: S20.2 99.35,97.64 99.67,97.32 D20.2
Net-(D21-A): length 3.7
  Bottom w0.2: D21.2 S21.2
Net-(D22-A): length 3.8
  Bottom w0.2: S22.2 137.45,97.64 137.77,97.32 D22.2
Net-(D23-A): length 3.8
  Bottom w0.2: D23.2 156.82,97.32 156.5,97.64 S23.2
Net-(D24-A): length 3.8
  Bottom w0.2: S24.2 175.55,97.64 175.87,97.32 D24.2
Net-(D25-A): length 3.8
  Bottom w0.2: D25.2 194.92,97.32 194.6,97.64 S25.2
Net-(D26-A): length 3.8
  Bottom w0.2: D26.2 213.97,97.32 213.65,97.64 S26.2
Net-(D27-A): length 3.8
  Bottom w0.2: D27.2 233.02,97.32 232.7,97.64 S27.2
Net-(D28-A): length 3.8
  Bottom w0.2: D28.2 252.07,97.32 251.75,97.64 S28.2
Net-(D29-A): length 3.8
  Bottom w0.2: S29.2 277.95,97.64 D29.2
Net-(D30-A): length 3.8
  Bottom w0.2: 315.06,97.64 S30.2 318.43,97.64 D30.2
Net-(D31-A): length 3.8
  Bottom w0.2: S31.2 20.77,78.59 D31.2
Net-(D32-A): length 3.8
  Bottom w0.2: S32.2 42.2,78.59 D32.2
Net-(D33-A): length 3.8
  Bottom w0.2: S33.2 61.25,78.59 D33.2
Net-(D34-A): length 3.7
  Bottom w0.2: S34.2 D34.2
Net-(D35-A): length 3.7
  Bottom w0.2: D35.2 S35.2
Net-(D36-A): length 3.7
  Bottom w0.2: D36.2 S36.2
Net-(D37-A): length 3.7
  Bottom w0.2: S37.2 D37.2
Net-(D38-A): length 3.7
  Bottom w0.2: D38.2 S38.2
Net-(D39-A): length 3.7
  Bottom w0.2: D39.2 S39.2
Net-(D40-A): length 3.7
  Bottom w0.2: D40.2 S40.2
Net-(D41-A): length 3.7
  Bottom w0.2: S41.2 D41.2
Net-(D42-A): length 3.7
  Bottom w0.2: S42.2 D42.2
Net-(D43-A): length 3.7
  Bottom w0.2: D43.2 S43.2
Net-(D44-A): length 3.7
  Bottom w0.2: S44.2 D44.2
Net-(D45-A): length 3.7
  Bottom w0.2: D45.2 S45.2 315.06,78.59
Net-(D46-A): length 3.7
  Bottom w0.2: S46.2 D46.2
Net-(D47-A): length 3.7
  Bottom w0.2: S47.2 D47.2
Net-(D48-A): length 3.7
  Bottom w0.2: S48.2 D48.2
Net-(D49-A): length 3.7
  Bottom w0.2: S49.2 D49.2
Net-(D50-A): length 3.7
  Bottom w0.2: D50.2 S50.2
Net-(D51-A): length 3.7
  Bottom w0.2: S51.2 D51.2
Net-(D52-A): length 3.7
  Bottom w0.2: S52.2 D52.2
Net-(D53-A): length 3.7
  Bottom w0.2: D53.2 S53.2
Net-(D54-A): length 3.7
  Bottom w0.2: D54.2 S54.2
Net-(D55-A): length 3.7
  Bottom w0.2: D55.2 S55.2
Net-(D56-A): length 3.7
  Bottom w0.2: D56.2 S56.2
Net-(D57-A): length 3.7
  Bottom w0.2: D57.2 S57.2
Net-(D58-A): length 3.7
  Bottom w0.2: S58.2 D58.2
Net-(D59-A): length 3.7
  Bottom w0.2: S59.2 D59.2
Net-(D60-A): length 3.7
  Bottom w0.2: 315.06,59.54 S60.2 D60.2
Net-(D61-A): length 3.8
  Bottom w0.2: 21.09,40.17 D61.2 20.77,40.49 S61.2
Net-(D62-A): length 3.7
  Bottom w0.2: S62.2 D62.2
Net-(D63-A): length 4
  Bottom w0.2: 61.41,40.33 D63.2 ; 61.41,40.33 61.25,40.49 S63.2 ; 61.41,40.33 61.57,40.17
Net-(D64-A): length 3.7
  Bottom w0.2: S64.2 D64.2
Net-(D65-A): length 3.7
  Bottom w0.2: D65.2 S65.2
Net-(D66-A): length 3.7
  Bottom w0.2: D66.2 S66.2
Net-(D67-A): length 3.7
  Bottom w0.2: S67.2 D67.2
Net-(D68-A): length 3.7
  Bottom w0.2: S68.2 D68.2
Net-(D69-A): length 3.7
  Bottom w0.2: D69.2 S69.2
Net-(D70-A): length 3.7
  Bottom w0.2: S70.2 D70.2
Net-(D71-A): length 3.7
  Bottom w0.2: D71.2 S71.2
Net-(D72-A): length 3.7
  Bottom w0.2: D72.2 S72.2
Net-(D73-A): length 3.7
  Bottom w0.2: D73.2 S73.2 257.91,40.49
Net-(D74-A): length 4
  Bottom w0.2: D74.2 S74.2 290.93,35.73
Net-(D75-A): length 4
  Bottom w0.2: S75.2 D75.2
Net-(D76-A): length 3.7
  Bottom w0.2: S76.2 D76.2
Net-(D77-A): length 3.7
  Bottom w0.2: S77.2 D77.2
Net-(D78-A): length 3.7
  Bottom w0.2: S78.2 D78.2
Net-(D79-A): length 3.7
  Bottom w0.2: S79.2 D79.2
Net-(D80-A): length 3.7
  Bottom w0.2: D80.2 S80.2 143.61,21.44
Net-(D81-A): length 3.7
  Bottom w0.2: D81.2 S81.2
Net-(D82-A): length 3.7
  Bottom w0.2: D82.2 S82.2
Net-(D83-A): length 3.7
  Bottom w0.2: D83.2 S83.2
Net-(D84-A): length 4
  Bottom w0.2: D84.2 S84.2 271.88,16.68
Net-(D85-A): length 4.1
  Bottom w0.2: 290.93,16.68 S85.2 294.62,16.68 D85.2
Net-(D86-A): length 4
  Bottom w0.2: 309.98,16.68 S86.2 D86.2

## Copper pours and planes (outline as drawn; the poured copper is in the pictures)
(no net) on Top, Bottom: 1.66,128.9 -1.16,126.05 -1.48,1.52 1.21,-1.41 319.39,-1.17 322.08,1.28 322.32,126.25 319.39,129.92 1.67,128.91 1.67,128.91
